# Altium PCB main.PcbDoc (part 1 of 2)
Units mm, origin at the board's own origin, x right, y up, seen from the top; angles counter-clockwise.
Board outline 110 x 124 mm, 4 copper layers (Top Layer, Int1 (GND), Int2 (PWR), Bottom Layer), stack 1.547 mm thick; 596 components, 384 nets, 1697 pads, 0 vias.
Unrouted connection lines stored in the file: 1265.
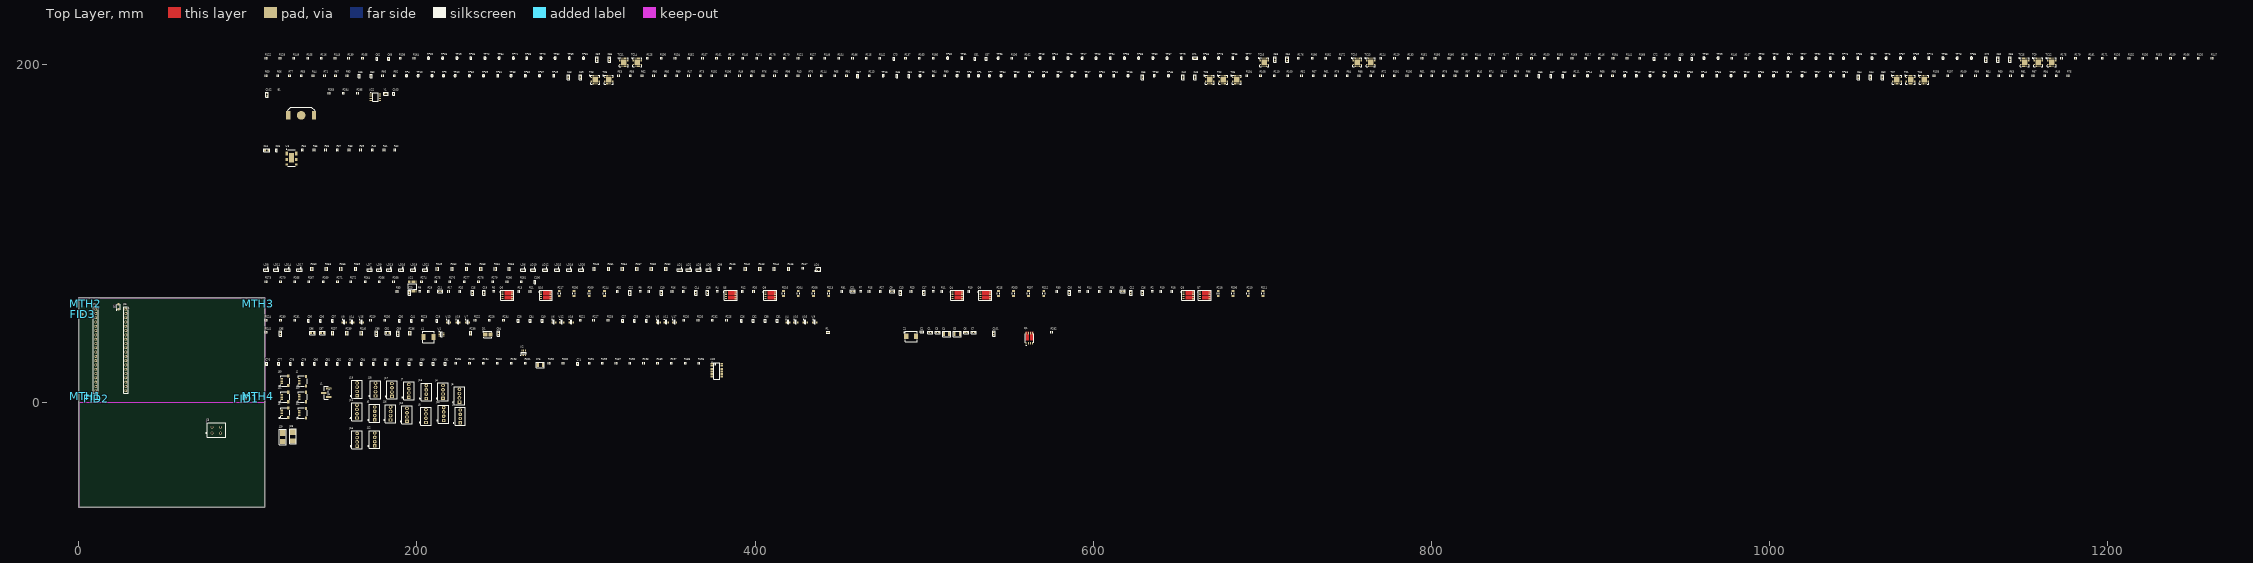
[diagram p0: Top Layer view]
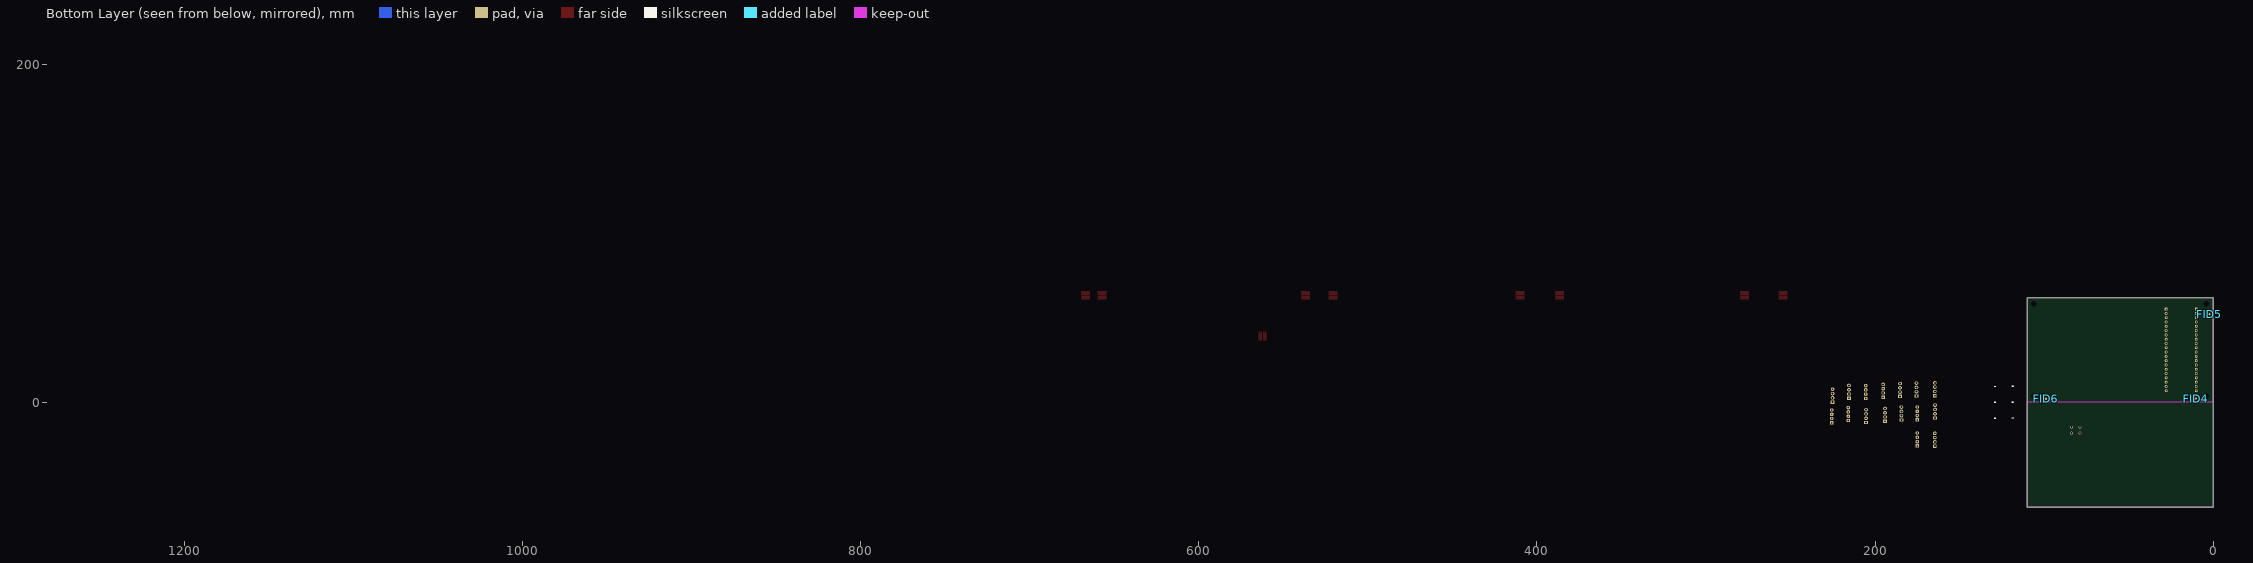
[diagram p1: Bottom Layer view, seen from below]

## Layer stack, top to bottom
Top Solder: solder mask 0.025, SM-004, Dk 4
Top Layer: signal copper 0.035
Dielectric 1: prepreg 0.1295, PP-017, Dk 4.3
Dielectric 2: prepreg 0.1295, PP-017, Dk 4.3
Int1 (GND): signal copper 0.035
Dielectric 3: core 0.889, Core-041, Dk 4.8
Int2 (PWR): signal copper 0.035
Dielectric 4: prepreg 0.1295, PP-017, Dk 4.3
Dielectric 5: prepreg 0.1295, PP-017, Dk 4.3
Bottom Layer: signal copper 0.035
Bottom Solder: solder mask 0.025, SM-004, Dk 4

## Board outline
0,-62 0,0 0,62 110,62 110,0 110,-62

## Design rules (kind name [scope] priority, off if disabled: settings)
Clearance [All] p1: gap=0.254 ignorepadtopadclearanceinfootprint=FALSE
PolygonConnect [All] p1: connectstyle=Relief reliefconductorwidth=0.254 reliefentries=4 polygonreliefangle="90 Angle" airgapwidth=0.254
RoomDefinition U_FETS [InComponentClass('U_FETS')] p1: confinementstyle=ConfineIn formatcopy=TRUE lockcomponents=FALSE outline -0.1,-102.8 50.7,-102.8 50.7,-77.4 -0.1,-77.4
RoomDefinition U_display [InComponentClass('U_display')] p2: confinementstyle=ConfineIn formatcopy=TRUE lockcomponents=FALSE outline -77.5,-109.5 -26.7,-109.5 -26.7,-84.1 -77.5,-84.1
RoomDefinition U_Connectors [InComponentClass('U_Connectors')] p3: confinementstyle=ConfineIn formatcopy=TRUE lockcomponents=FALSE outline -77.5,-109.5 -26.7,-109.5 -26.7,-84.1 -77.5,-84.1
RoutingVias [All] p1: holewidth=0.711 width=1.27 viastyle="Through Hole" minholewidth=0.711 minwidth=1.27 maxholewidth=0.711 maxwidth=1.27
SolderMaskExpansion [All] p1: expansion=0.102 istentingtop=FALSE
SupplyNets "Schematic Supply Nets_7" [InNet('V_FET_P')] p1: voltage=0.000
SupplyNets "Schematic Supply Nets_6" [InNet('VIN_PROT')] p2: voltage=0.000
SupplyNets "Schematic Supply Nets_5" [InNet('VIN')] p3: voltage=0.000
SupplyNets "Schematic Supply Nets_4" [InNet('3V3')] p4: voltage=0.000
SupplyNets "Schematic Supply Nets_3" [InNet('GND')] p5: voltage=0.000
SupplyNets "Schematic Supply Nets_2" [InNet('V_BUS')] p6: voltage=0.000
SupplyNets "Schematic Supply Nets_1" [InNet('PICO_ADA_3V3')] p7: voltage=0.000
SupplyNets "Schematic Supply Nets" [InNet('5V6')] p8: voltage=0.000
Width [All] p1: maxlimit=0.254 minlimit=0.254 preferedwidth=0.254
30 further rules are at their usual default settings.

## Classes and differential pairs
net class TC_POS[1..16]: TC_POS1 TC_POS2 TC_POS3 TC_POS4 TC_POS5 TC_POS6 TC_POS7 TC_POS8 TC_POS9 TC_POS10 TC_POS11 TC_POS12 TC_POS13 TC_POS14 TC_POS15 TC_POS16
net class TC_NEG[1..16]: TC_NEG1 TC_NEG2 TC_NEG3 TC_NEG4 TC_NEG5 TC_NEG6 TC_NEG7 TC_NEG8 TC_NEG9 TC_NEG10 TC_NEG11 TC_NEG12 TC_NEG13 TC_NEG14 TC_NEG15 TC_NEG16
net class I_SNS_P[1..16]: I_SNS_P1 I_SNS_P2 I_SNS_P3 I_SNS_P4 I_SNS_P5 I_SNS_P6 I_SNS_P7 I_SNS_P8 I_SNS_P9 I_SNS_P10 I_SNS_P11 I_SNS_P12 I_SNS_P13 I_SNS_P14 I_SNS_P15 I_SNS_P16
net class I_SNS_N[1..16]: I_SNS_N1 I_SNS_N2 I_SNS_N3 I_SNS_N4 I_SNS_N5 I_SNS_N6 I_SNS_N7 I_SNS_N8 I_SNS_N9 I_SNS_N10 I_SNS_N11 I_SNS_N12 I_SNS_N13 I_SNS_N14 I_SNS_N15 I_SNS_N16
net class FET_GATE[1..16]: FET_GATE1 FET_GATE2 FET_GATE3 FET_GATE4 FET_GATE5 FET_GATE6 FET_GATE7 FET_GATE8 FET_GATE9 FET_GATE10 FET_GATE11 FET_GATE12 FET_GATE13 FET_GATE14 FET_GATE15 FET_GATE16
net class ADC_IN[1..16]: ADC_IN1 ADC_IN2 ADC_IN3 ADC_IN4 ADC_IN5 ADC_IN6 ADC_IN7 ADC_IN8 ADC_IN9 ADC_IN10 ADC_IN11 ADC_IN12 ADC_IN13 ADC_IN14 ADC_IN15 ADC_IN16
component class U_thermocouple_2: C58 C59 C60 C61 C62 C63 C64 C65 C66 C67 C68 C69 C70 C71 C72 C73 R115 R116 R117 R118 R119 R120 R121 R122 R123 R124 R125 R126 R127 R128 R129 R130 R131 R132 R133 R134 R135 R136 R137 R138 R139 R140 R141 R142 R143 R144 R145 R146 R147 R148 R149 R150 R151 R152 R153 R154 R155 R156 R157 R158 R159 R160 R161 R162 R163 R164 R165 R166 R167 R168 R169 R170 R171 R172 R173 R174 R175 R176 R177 R178 R179 R180 R181 R182 R183 R184 R185 R186 TC9 TC10 TC11 TC12 TC13 TC14 TC15 TC16 TP17 TP18 TP19 TP20 TP21 TP22 TP23 TP24 TP25 TP26 TP27 TP28 TP29 TP30 TP31 TP32 TP65 TP66 TP67 TP68 TP69 TP70 TP71 TP72 TP73 TP74 TP75 TP76 TP77 TP78 TP79 TP80 TP81 TP82 TP83 TP84 TP85 TP86 TP87 TP88 TP89 TP90 TP91 TP92 TP93 TP94 TP95 TP96
component class U_thermocouple_1: C42 C43 C44 C45 C46 C47 C48 C49 C50 C51 C52 C53 C54 C55 C56 C57 R43 R44 R45 R46 R47 R48 R49 R50 R51 R52 R53 R54 R55 R56 R57 R58 R59 R60 R61 R62 R63 R64 R65 R66 R67 R68 R69 R70 R71 R72 R73 R74 R75 R76 R77 R78 R79 R80 R81 R82 R83 R84 R85 R86 R87 R88 R89 R90 R91 R92 R93 R94 R95 R96 R97 R98 R99 R100 R101 R102 R103 R104 R105 R106 R107 R108 R109 R110 R111 R112 R113 R114 TC1 TC2 TC3 TC4 TC5 TC6 TC7 TC8 TP1 TP2 TP3 TP4 TP5 TP6 TP7 TP8 TP9 TP10 TP11 TP12 TP13 TP14 TP15 TP16 TP33 TP34 TP35 TP36 TP37 TP38 TP39 TP40 TP41 TP42 TP43 TP44 TP45 TP46 TP47 TP48 TP49 TP50 TP51 TP52 TP53 TP54 TP55 TP56 TP57 TP58 TP59 TP60 TP61 TP62 TP63 TP64
component class U_rtc: B1 C102 C103 R283 R284 R285 U22 Y1
component class U_pwm_driver: C24 C25 R34 R35 R36 R37 R38 R39 R40 R41 R42 U3
component class U_pico: D2 J25 J26
component class U_leds: C99 LD1 LD2 LD3 LD4 LD5 LD6 LD7 LD8 LD9 LD10 LD11 LD12 LD13 LD14 LD15 LD16 LD17 LD18 LD19 LD20 LD21 R242 R243 R244 R245 R246 R247 R248 R249 R250 R251 R252 R253 R254 R255 R256 R257 R258 R259 R260 R261 R262 R263
component class U_i2c_mux: C100 R264 R265 R266 R267 R268 R269 R270 R271 R272 R273 R274 R275 R276 R277 R278 R279 R280 R281 U21
component class U_FETS: C8 C9 C10 C11 C12 C13 C14 C15 C16 C17 C18 C19 C20 C21 C22 C23 Q3 Q4 Q5 Q6 Q7 Q8 Q9 Q10 R2 R3 R4 R5 R6 R7 R8 R9 R10 R11 R12 R13 R14 R15 R16 R17 R18 R19 R20 R21 R22 R23 R24 R25 R26 R27 R28 R29 R30 R31 R32 R33 R203 R204 R205 R206 R207 R208 R209 R210 R211 R212 R213 R214 R215 R216 R217 R218
component class U_display: J23 J24
component class U_current_sense: C26 C27 C28 C29 C30 C31 C32 C33 C34 C35 C36 C37 C38 C39 C40 C41 R220 R221 R222 R223 R224 R225 R226 R227 R228 R229 R230 R231 R232 R233 R234 R235 U4 U5 U6 U7 U8 U9 U10 U11 U12 U13 U14 U15 U16 U17 U18 U19
component class U_Connectors: C1 C2 C3 C4 C5 C6 C7 C92 C93 C94 C95 C96 C97 C98 C101 D1 J1 J2 J3 J4 J5 J6 J7 J8 J9 J10 J11 J12 J13 J14 J15 J16 J17 J18 J19 J20 J21 J22 J27 J28 J29 J30 L1 Q1 R1 R236 R237 R238 R239 R240 R241 R282 U1 U2 Z1
component class U_analog_converter: C74 C75 C76 C77 C78 C79 C80 C81 C82 C83 C84 C85 C86 C87 C88 C89 C90 C91 R187 R188 R189 R190 R191 R192 R193 R194 R195 R196 R197 R198 R199 R200 R201 R202 R219 U20
component class TopSheet: FID1 FID2 FID3 FID4 FID5 FID6 MTH1 MTH2 MTH3 MTH4

## Components (designator, comment, footprint, x,y, rotation, side; value= is the part's Value field where it differs from the comment)
B1 "BAT-HLD-012-SMT" BAT-HLD-012-SMT 131.5,169.799 r0 top
C1 "1000pF" CAPC1608X09N 503.699,41.4 r0 top
C2 "0.1uF" CAPC1005X06N 498.799,41.7 r0 top
C3 "2200pF" CAPC1608X09N 507.999,41.4 r0 top
C4 "10uF" CAPC3225X28N 513.299,40.5 r0 top
C5 "10uF" CAPC3225X28N 519.599,40.5 r0 top
C6 "1000pF" CAPC1608X09N 524.899,41.4 r0 top
C7 "0.01uF" CAPC1608X09N 529.299,41.4 r0 top
C8 "1000pF" CAPC1608X09N 617.499,65.7 r0 top
C9 "1000pF" CAPC1608X09N 481.099,65.7 r0 top
C10 "1000pF" CAPC1608X09N 344.599,64.9 r90 top
C11 "1000pF" CAPC1608X09N 213.7,65.7 r0 top
C12 "1000pF" CAPC1608X09N 622.299,64.9 r90 top
C13 "1000pF" CAPC1608X09N 485.999,64.9 r90 top
C14 "1000pF" CAPC1608X09N 364.999,64.9 r90 top
C15 "1000pF" CAPC1608X09N 232.8,64.9 r90 top
C16 "1000pF" CAPC1608X09N 629.199,64.9 r90 top
C17 "1000pF" CAPC1608X09N 499.799,64.9 r90 top
C18 "1000pF" CAPC1608X09N 371.899,64.9 r90 top
C19 "1000pF" CAPC1608X09N 239.7,64.9 r90 top
C20 "1000pF" CAPC1608X09N 585.899,64.9 r90 top
C21 "1000pF" CAPC1608X09N 457.799,65.7 r0 top
C22 "1000pF" CAPC1608X09N 326.099,64.9 r90 top
C23 "1000pF" CAPC1608X09N 195.7,64.9 r90 top
C24 "4.7uF" CAPC2012X14N 111.1,149.099 r0 top
C25 "0.01uF" CAPC1005X06N 116.9,149.099 r90 top
C26 "0.1uF" CAPC1005X06N 391.899,48.3 r90 top
C27 "0.1uF" CAPC1005X06N 321.699,48.3 r90 top
C28 "0.1uF" CAPC1005X06N 259.899,48.3 r90 top
C29 "0.1uF" CAPC1005X06N 211.799,48.3 r90 top
C30 "0.1uF" CAPC1005X06N 135.9,48.3 r90 top
C31 "0.1uF" CAPC1005X06N 413.099,48.3 r90 top
C32 "0.1uF" CAPC1005X06N 398.899,48.3 r90 top
C33 "0.1uF" CAPC1005X06N 328.699,48.3 r90 top
C34 "0.1uF" CAPC1005X06N 266.999,48.3 r90 top
C35 "0.1uF" CAPC1005X06N 189.699,48.3 r90 top
C36 "0.1uF" CAPC1005X06N 143,48.3 r90 top
C37 "0.1uF" CAPC1005X06N 150,48.3 r90 top
C38 "0.1uF" CAPC1005X06N 405.999,48.3 r90 top
C39 "0.1uF" CAPC1005X06N 335.799,48.3 r90 top
C40 "0.1uF" CAPC1005X06N 274.099,48.3 r90 top
C41 "0.1uF" CAPC1005X06N 196.799,48.3 r90 top
C42 "0.1uF" CAPC1608X09N 653.199,192.399 r90 top
C43 "0.1uF" CAPC1608X09N 289.599,192.399 r90 top
C44 "0.1uF" CAPC1608X09N 1059.798,192.399 r90 top
C45 "0.1uF" CAPC1005X06N 483.899,192.999 r90 top
C46 "0.1uF" CAPC1005X06N 165.8,192.999 r90 top
C47 "0.1uF" CAPC1005X06N 870.798,192.999 r90 top
C48 "0.1uF" CAPC1608X09N 660.299,192.399 r90 top
C49 "0.1uF" CAPC1608X09N 296.699,192.399 r90 top
C50 "0.1uF" CAPC1608X09N 1066.898,192.399 r90 top
C51 "0.1uF" CAPC1005X06N 490.999,192.999 r90 top
C52 "0.1uF" CAPC1005X06N 172.899,192.999 r90 top
C53 "0.1uF" CAPC1005X06N 877.898,192.999 r90 top
C54 "0.1uF" CAPC1608X09N 1052.698,192.399 r90 top
C55 "0.1uF" CAPC1608X09N 629.299,192.399 r90 top
C56 "0.1uF" CAPC1005X06N 863.798,192.999 r90 top
C57 "0.1uF" CAPC1005X06N 460.699,192.999 r90 top
C58 "0.1uF" CAPC1608X09N 707.698,202.799 r90 top
C59 "0.1uF" CAPC1608X09N 306.599,202.799 r90 top
C60 "0.1uF" CAPC1608X09N 1135.298,202.799 r90 top
C61 "0.1uF" CAPC1005X06N 530.099,203.299 r90 top
C62 "0.1uF" CAPC1005X06N 176.299,203.299 r90 top
C63 "0.1uF" CAPC1005X06N 947.098,203.299 r90 top
C64 "0.1uF" CAPC1608X09N 714.798,202.799 r90 top
C65 "0.1uF" CAPC1608X09N 313.799,202.799 r90 top
C66 "0.1uF" CAPC1608X09N 1142.398,202.799 r90 top
C67 "0.1uF" CAPC1005X06N 536.699,203.299 r90 top
C68 "0.1uF" CAPC1005X06N 183.299,203.299 r90 top
C69 "0.1uF" CAPC1005X06N 954.198,203.299 r90 top
C70 "0.1uF" CAPC1608X09N 1128.198,202.799 r90 top
C71 "0.1uF" CAPC1608X09N 660.299,203.599 r0 top
C72 "0.1uF" CAPC1005X06N 931.898,203.299 r90 top
C73 "0.1uF" CAPC1005X06N 482.199,203.299 r90 top
C74 "150pF" CAPC1005X06N 295.099,22.9 r90 top
C75 "10uF" CAPC3225X28N 272.999,22.2 r0 top
C76 "150pF" CAPC1005X06N 111.1,22.9 r90 top
C77 "150pF" CAPC1005X06N 118.2,22.9 r90 top
C78 "150pF" CAPC1005X06N 125.2,22.9 r90 top
C79 "150pF" CAPC1005X06N 132.3,22.9 r90 top
C80 "150pF" CAPC1005X06N 139.4,22.9 r90 top
C81 "150pF" CAPC1005X06N 146.5,22.9 r90 top
C82 "150pF" CAPC1005X06N 153,22.9 r90 top
C83 "150pF" CAPC1005X06N 160.1,22.9 r90 top
C84 "150pF" CAPC1005X06N 167.2,22.9 r90 top
C85 "150pF" CAPC1005X06N 174.199,22.9 r90 top
C86 "150pF" CAPC1005X06N 181.299,22.9 r90 top
C87 "150pF" CAPC1005X06N 188.399,22.9 r90 top
C88 "150pF" CAPC1005X06N 195.399,22.9 r90 top
C89 "150pF" CAPC1005X06N 202.499,22.9 r90 top
C90 "150pF" CAPC1005X06N 209.599,22.9 r90 top
C91 "150pF" CAPC1005X06N 216.699,22.9 r90 top
C92 "4.7uF" CAPC2012X14N 182.799,41.1 r0 top
C93 "0.01uF" CAPC1608X09N 188.899,40.7 r90 top
C94 "0.01uF" CAPC1608X09N 248.099,40.7 r90 top
C95 "1000pF" CAPC1608X09N 119.3,40.7 r90 top
C96 "4.7uF" CAPC2012X14N 138.2,41.1 r0 top
C97 "4.7uF" CAPC2012X14N 144.1,41.1 r0 top
C98 "0.01uF" CAPC1608X09N 175.999,40.7 r90 top
C99 "0.1uF" CAPC1005X06N 378.599,79.1 r90 top
C100 "0.1uF" CAPC1005X06N 269.899,71.2 r90 top
C101 "0.01uF" CAPC1608X09N 541.299,40.7 r90 top
C102 "0.1uF" CAPC1608X09N 111.4,181.999 r90 top
C103 "0.1uF" CAPC1005X06N 186.299,182.599 r90 top
D1 "S3MB-13-F" DIOM4336X25N 241.899,40.1 r0 top
D2 "UFM14PL-TP" SODFL358X135-2N 23.4,56.5 r90 top value=UFM14PL
FID1 "FIDUCIAL STANDARD" FID 98.9,2.1 r0 top
FID2 "FIDUCIAL STANDARD" FID 10.3,2.2 r0 top
FID3 "FIDUCIAL STANDARD" FID 2.2,52.1 r0 top
FID4 "FIDUCIAL STANDARD" FID 10.3,2.2 r180 bottom
FID5 "FIDUCIAL STANDARD" FID 2.2,52.1 r180 bottom
FID6 "FIDUCIAL STANDARD" FID 98.9,2.1 r180 bottom
J1 "TSM-103-01-F-SV" CONN_SAMTEC_TSM-103-01-F-SV 146.3,5.6 r90 top
J2 "SM04B-SRSS-TB" CONN_JST_SM04B-SRSS-TB_JST 132.5,12.501 r270 top
J3 "1862042" CONN_PHOENIX_1862042 86.8,-20.7 r90 top
J4 "1725672" CONN_PHOENIX_1725672 215.4,6.2 r90 top
J5 "1725672" CONN_PHOENIX_1725672 225.1,3.91 r90 top
J6 "1725672" CONN_PHOENIX_1725672 175,-6.57 r90 top
J7 "1725672" CONN_PHOENIX_1725672 195.2,6.799 r90 top
J8 "1725672" CONN_PHOENIX_1725672 205.3,-8.13 r90 top
J9 "1725672" CONN_PHOENIX_1725672 225.6,-8.33 r90 top
J10 "1725672" CONN_PHOENIX_1725672 194.1,-7.4 r90 top
J11 "1725672" CONN_PHOENIX_1725672 164.5,-5.47 r90 top
J12 "1725672" CONN_PHOENIX_1725672 175,-21.99 r90 top
J13 "1725672" CONN_PHOENIX_1725672 205.5,6.099 r90 top
J14 "1725672" CONN_PHOENIX_1725672 215.8,-6.93 r90 top
J15 "1725672" CONN_PHOENIX_1725672 164.6,-22.13 r90 top
J16 "1725672" CONN_PHOENIX_1725672 184.4,-6.63 r90 top
J17 "1725672" CONN_PHOENIX_1725672 185.2,7.31 r90 top
J18 "1725672" CONN_PHOENIX_1725672 175.5,7.57 r90 top
J19 "1725672" CONN_PHOENIX_1725672 164.6,7.7 r90 top
J20 "SM04B-SRSS-TB" CONN_JST_SM04B-SRSS-TB_JST 132.5,3.101 r270 top
J21 "SM04B-SRSS-TB" CONN_JST_SM04B-SRSS-TB_JST 122.1,3.201 r270 top
J22 "SM04B-SRSS-TB" CONN_JST_SM04B-SRSS-TB_JST 132.5,-6.399 r270 top
J25 "PH1-20-UA" CONN_ADAM_TECH_PH1-20-UA 10,31 r270 top locked
J26 "PH1-20-UA" CONN_ADAM_TECH_PH1-20-UA 27.78,31 r270 top locked
J27 "SM04B-SRSS-TB" CONN_JST_SM04B-SRSS-TB_JST 122.1,-6.199 r270 top
J28 "70-9296-001-003-006" AVX_709296001003006 126.7,-20.1 r90 top value=709296001003006
J29 "70-9296-001-003-006" AVX_709296001003006 120.6,-20.5 r90 top value=709296001003006
J30 "SM04B-SRSS-TB" CONN_JST_SM04B-SRSS-TB_JST 122.1,12.701 r270 top
L1 "15uH" INDM6565X30N 206.799,38.7 r0 top
LD1 "LTST-C191KGKT" LED_0603_GREEN 355.599,78.3 r0 top
LD2 "LTST-C191TBKT" LED_0603_BLUE 360.899,78.3 r0 top
LD3 "LTST-C191KSKT" LED_0603_YELLOW 366.799,78.3 r0 top
LD4 "IN-PI15TAT5R5G5B" LED_INOLUX_IN-PI15TAT5R5G5B 437.599,78.7 r0 top
LD5 "LTST-C191KSKT" LED_0603_YELLOW 372.599,78.3 r0 top
LD6 "LTST-C191KRKT" LED_0603_RED 262.899,78.3 r0 top
LD7 "LTST-C191KRKT" LED_0603_RED 172,78.3 r0 top
LD8 "LTST-C191KRKT" LED_0603_RED 110.9,78.3 r0 top
LD9 "LTST-C191KRKT" LED_0603_RED 177.799,78.3 r0 top
LD10 "LTST-C191KRKT" LED_0603_RED 268.699,78.3 r0 top
LD11 "LTST-C191KRKT" LED_0603_RED 116.8,78.3 r0 top
LD12 "LTST-C191KRKT" LED_0603_RED 275.799,78.3 r0 top
LD13 "LTST-C191KRKT" LED_0603_RED 183.699,78.3 r0 top
LD14 "LTST-C191KRKT" LED_0603_RED 123.4,78.3 r0 top
LD15 "LTST-C191KRKT" LED_0603_RED 282.999,78.3 r0 top
LD16 "LTST-C191KRKT" LED_0603_RED 190.799,78.3 r0 top
LD17 "LTST-C191KRKT" LED_0603_RED 130.5,78.3 r0 top
LD18 "LTST-C191KRKT" LED_0603_RED 290.099,78.3 r0 top
LD19 "LTST-C191KRKT" LED_0603_RED 197.899,78.3 r0 top
LD20 "LTST-C191KRKT" LED_0603_RED 297.199,78.3 r0 top
LD21 "LTST-C191KRKT" LED_0603_RED 204.999,78.3 r0 top
MTH1 "MTH/NP/M3" MTGNP700H325Z700P 4,3.56 r0 top locked
MTH2 "MTH/NP/M3" MTGNP700H325Z700P 4,58.44 r0 top locked
MTH3 "MTH/NP/M3" MTGNP700H325Z700P 106,58.44 r0 top locked
MTH4 "MTH/NP/M3" MTGNP700H325Z700P 106,3.56 r0 top locked
Q1 "IAUCN04S7N019DATMA1" INF-PG-TDSON-8-61-V 562.299,37.9 r90 top
Q3 "IPG20N06S4L26ATMA1" INF-PG-TDSON-8-4 656.299,63.3 r0 top
Q4 "IPG20N06S4L26ATMA1" INF-PG-TDSON-8-4 519.699,63.3 r0 top
Q5 "IPG20N06S4L26ATMA1" INF-PG-TDSON-8-4 385.599,63.3 r0 top
Q6 "IPG20N06S4L26ATMA1" INF-PG-TDSON-8-4 253.399,63.3 r0 top
Q7 "IPG20N06S4L26ATMA1" INF-PG-TDSON-8-4 666.099,63.3 r0 top
Q8 "IPG20N06S4L26ATMA1" INF-PG-TDSON-8-4 536.099,63.3 r0 top
Q9 "IPG20N06S4L26ATMA1" INF-PG-TDSON-8-4 408.999,63.3 r0 top
Q10 "IPG20N06S4L26ATMA1" INF-PG-TDSON-8-4 276.299,63.3 r0 top
R1 "100k" RESC1608X06N 443.199,41.5 r0 top
R2 "100" RESC1005X04N 634.899,65.9 r0 top value="100 Ohm"
R3 "100" RESC1005X04N 505.499,65.9 r0 top value="100 Ohm"
R4 "100" RESC1005X04N 377.599,65.9 r0 top value="100 Ohm"
R5 "100" RESC1005X04N 245.4,65.9 r0 top value="100 Ohm"
R6 "10k" RESC1005X04N 591.899,65.9 r0 top
R7 "10k" RESC1005X04N 462.499,65.9 r0 top
R8 "10k" RESC1005X04N 332.099,65.9 r0 top
R9 "10k" RESC1005X04N 201.7,65.9 r0 top
R10 "100" RESC1005X04N 640.099,65.6 r90 top value="100 Ohm"
R11 "100" RESC1005X04N 510.599,65.6 r90 top value="100 Ohm"
R12 "100" RESC1005X04N 392.499,65.6 r90 top value="100 Ohm"
R13 "100" RESC1005X04N 260.299,65.6 r90 top value="100 Ohm"
R14 "10k" RESC1005X04N 596.999,65.6 r90 top
R15 "10k" RESC1005X04N 467.599,65.6 r90 top
R16 "10k" RESC1005X04N 350.999,65.6 r90 top
R17 "10k" RESC1005X04N 218.8,65.6 r90 top
R18 "100" RESC1005X04N 646.699,65.6 r90 top value="100 Ohm"
R19 "100" RESC1005X04N 526.599,65.6 r90 top value="100 Ohm"
R20 "100" RESC1005X04N 399.199,65.6 r90 top value="100 Ohm"
R21 "100" RESC1005X04N 266.999,65.6 r90 top value="100 Ohm"
R22 "10k" RESC1005X04N 603.699,65.6 r90 top
R23 "10k" RESC1005X04N 492.399,65.6 r90 top
R24 "10k" RESC1005X04N 357.599,65.6 r90 top
R25 "10k" RESC1005X04N 225.4,65.6 r90 top
R26 "100" RESC1005X04N 610.599,65.6 r90 top value="100 Ohm"
R27 "100" RESC1005X04N 474.199,65.6 r90 top value="100 Ohm"
R28 "100" RESC1005X04N 337.199,65.6 r90 top value="100 Ohm"
R29 "100" RESC1005X04N 206.8,65.6 r90 top value="100 Ohm"
R30 "10k" RESC1005X04N 578.599,65.6 r90 top
R31 "10k" RESC1005X04N 451.399,65.6 r90 top
R32 "10k" RESC1005X04N 318.699,65.6 r90 top
R33 "10k" RESC1005X04N 188.3,65.6 r90 top
R34 "10k" RESC1005X04N 132.3,149.299 r90 top
R35 "10k" RESC1005X04N 139.2,149.299 r90 top
R36 "10k" RESC1005X04N 146.1,149.299 r90 top
R37 "10k" RESC1005X04N 153,149.299 r90 top
R38 "10k" RESC1005X04N 159.9,149.299 r90 top
R39 "10k" RESC1005X04N 166.8,149.299 r90 top
R40 "10k" RESC1005X04N 173.699,149.299 r90 top
R41 "10k" RESC1005X04N 180.599,149.299 r90 top
R42 "10k" RESC1005X04N 186.999,149.299 r90 top
R43 "2M" RESC1005X04N 425.499,193.199 r90 top value="2M Ohm"
R44 "2M" RESC1005X04N 138.6,193.199 r90 top value="2M Ohm"
R45 "2M" RESC1005X04N 827.998,193.199 r90 top value="2M Ohm"
R46 "2.2k" RESC1005X04N 764.398,193.199 r90 top value="2.2k Ohm"
R47 "4.3k" RESC1005X04N 360.799,193.199 r90 top value="4.3k Ohm"
R48 "0R" RESC1005X04N 1169.898,193.199 r90 top value="0 ohm"
R49 "2M" RESC1005X04N 390.999,193.199 r90 top value="2M Ohm"
R50 "2M" RESC1005X04N 110.9,193.199 r90 top value="2M Ohm"
R51 "2M" RESC1005X04N 793.998,193.199 r90 top value="2M Ohm"
R52 "10k" RESC1005X04N 723.398,193.199 r90 top
R53 "10k" RESC1005X04N 319.399,193.199 r90 top
R54 "10k" RESC1005X04N 1128.998,193.199 r90 top
R55 "1M" RESC1005X04N 397.899,193.199 r90 top value="1M Ohm"
R56 "1M" RESC1005X04N 117.8,193.199 r90 top value="1M Ohm"
R57 "10k" RESC1005X04N 730.298,193.199 r90 top
R58 "10k" RESC1005X04N 326.299,193.199 r90 top
R59 "1M" RESC1005X04N 800.398,193.199 r90 top value="1M Ohm"
R60 "10k" RESC1005X04N 1135.898,193.199 r90 top
R61 "10k" RESC1005X04N 737.198,193.199 r90 top
R62 "10k" RESC1005X04N 333.199,193.199 r90 top
R63 "10k" RESC1005X04N 1142.798,193.199 r90 top
R64 "100" RESC1005X04N 505.499,193.199 r90 top value="100 Ohm"
R65 "100" RESC1005X04N 447.299,193.199 r90 top value="100 Ohm"
R66 "100" RESC1005X04N 179.799,193.199 r90 top value="100 Ohm"
R67 "100" RESC1005X04N 151.9,193.199 r90 top value="100 Ohm"
R68 "100" RESC1005X04N 900.398,193.199 r90 top value="100 Ohm"
R69 "100" RESC1005X04N 849.798,193.199 r90 top value="100 Ohm"
R70 "2M" RESC1005X04N 432.399,193.199 r90 top value="2M Ohm"
R71 "2M" RESC1005X04N 145.5,193.199 r90 top value="2M Ohm"
R72 "13k" RESC1005X04N 771.298,193.199 r90 top value="13k Ohm"
R73 "22k" RESC1005X04N 367.699,193.199 r90 top value="22k Ohm"
R74 "2M" RESC1005X04N 834.998,193.199 r90 top value="2M Ohm"
R75 "7.5k" RESC1005X04N 1176.797,193.199 r90 top value="7.5k Ohm"
R76 "2M" RESC1005X04N 404.799,193.199 r90 top value="2M Ohm"
R77 "2M" RESC1005X04N 124.7,193.199 r90 top value="2M Ohm"
R78 "2M" RESC1005X04N 807.298,193.199 r90 top value="2M Ohm"
R79 "10k" RESC1005X04N 743.598,193.199 r90 top
R80 "10k" RESC1005X04N 340.099,193.199 r90 top
R81 "10k" RESC1005X04N 1149.698,193.199 r90 top
R82 "1M" RESC1005X04N 411.699,193.199 r90 top value="1M Ohm"
R83 "1M" RESC1005X04N 131.7,193.199 r90 top value="1M Ohm"
R84 "10k" RESC1005X04N 750.498,193.199 r90 top
R85 "10k" RESC1005X04N 346.999,193.199 r90 top
R86 "1M" RESC1005X04N 814.198,193.199 r90 top value="1M Ohm"
R87 "10k" RESC1005X04N 1156.098,193.199 r90 top
R88 "10k" RESC1005X04N 757.398,193.199 r90 top
R89 "10k" RESC1005X04N 353.899,193.199 r90 top
R90 "100" RESC1005X04N 512.399,193.199 r90 top value="100 Ohm"
R91 "100" RESC1005X04N 454.199,193.199 r90 top value="100 Ohm"
R92 "100" RESC1005X04N 186.699,193.199 r90 top value="100 Ohm"
R93 "100" RESC1005X04N 158.8,193.199 r90 top value="100 Ohm"
R94 "10k" RESC1005X04N 1162.998,193.199 r90 top
R95 "100" RESC1005X04N 907.298,193.199 r90 top value="100 Ohm"
R96 "100" RESC1005X04N 856.698,193.199 r90 top value="100 Ohm"
R97 "2M" RESC1005X04N 821.098,193.199 r90 top value="2M Ohm"
R98 "2M" RESC1005X04N 418.599,193.199 r90 top value="2M Ohm"
R99 "43k" RESC1005X04N 1122.098,193.199 r90 top value="43k Ohm"
R100 "DNC" RESC1005X04N 715.198,193.199 r90 top value="0 ohm"
R101 "2M" RESC1005X04N 778.198,193.199 r90 top value="2M Ohm"
R102 "2M" RESC1005X04N 374.599,193.199 r90 top value="2M Ohm"
R103 "10k" RESC1005X04N 1097.498,193.199 r90 top
R104 "10k" RESC1005X04N 690.998,193.199 r90 top
R105 "1M" RESC1005X04N 785.798,193.199 r90 top value="1M Ohm"
R106 "1M" RESC1005X04N 382.799,193.199 r90 top value="1M Ohm"
R107 "10k" RESC1005X04N 1105.698,193.199 r90 top
R108 "10k" RESC1005X04N 699.098,193.199 r90 top
R109 "10k" RESC1005X04N 1113.898,193.199 r90 top
R110 "10k" RESC1005X04N 707.298,193.199 r90 top
R111 "100" RESC1005X04N 884.798,193.199 r90 top value="100 Ohm"
R112 "100" RESC1005X04N 841.898,193.199 r90 top value="100 Ohm"
R113 "100" RESC1005X04N 467.699,193.199 r90 top value="100 Ohm"
R114 "100" RESC1005X04N 439.299,193.199 r90 top value="100 Ohm"
R115 "2M" RESC1005X04N 465.999,203.499 r90 top value="2M Ohm"
R116 "2M" RESC1005X04N 143.6,203.499 r90 top value="2M Ohm"
R117 "2M" RESC1005X04N 891.598,203.499 r90 top value="2M Ohm"
R118 "2.2k" RESC1005X04N 818.698,203.499 r90 top value="2.2k Ohm"